# Altium PCB dev-board.PcbDoc (part 3 of 3) (continued)
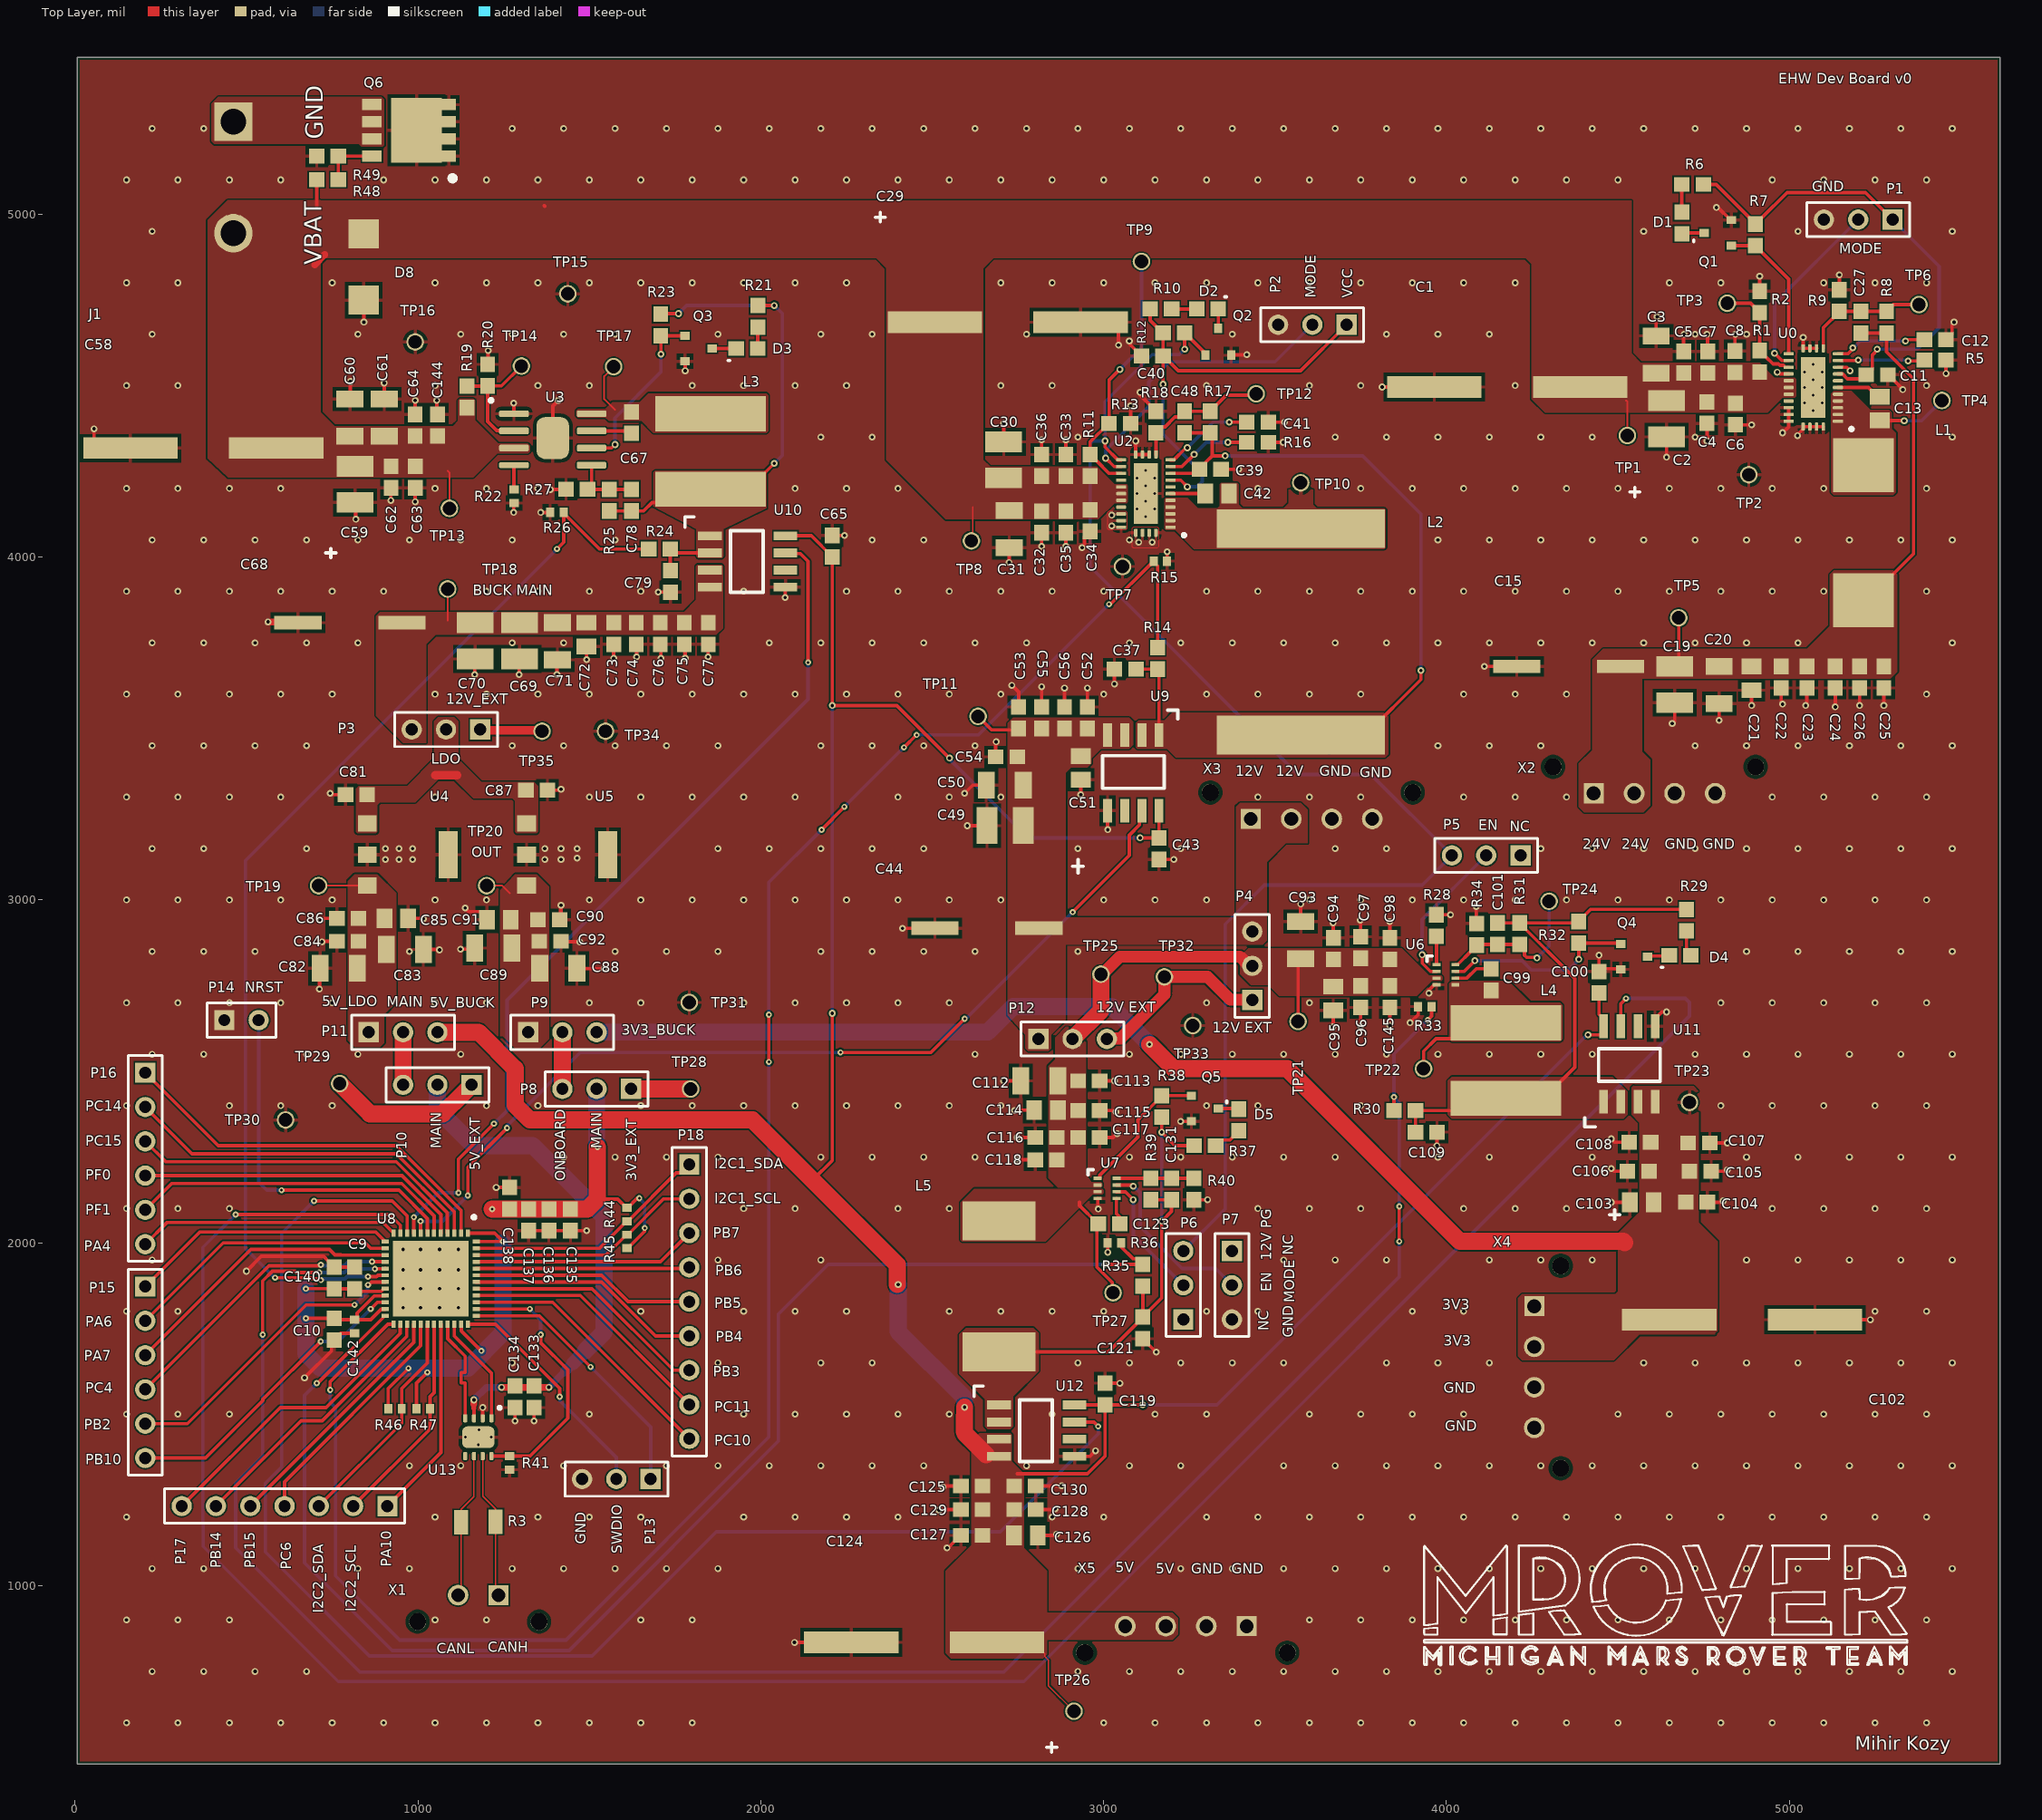
[diagram p0: Top Layer view]
## Nets (pads, with @x,y where several pads share a name; then routed paths per layer and width w, separated by ;. In a path a pad name is that pad's centre, name@x,y a point inside that pad or via, vN(x,y) a via of type N, cw(c..) or ccw(c..) an arc to the next point about the centre after c; other vN are vias at no path point) (continued)
  other v3: 1176.18,1411.42 1138.78,1433.07 1213.58,1433.07 1178.15,1454.72 3123.03,4117.72 3097.44,4140.16 3148.62,4140.16 3123.03,4162.6 3097.44,4185.04 3148.62,4185.04 3123.03,4207.48 3097.44,4229.92 3148.62,4229.92 3123.03,4252.36 5069.72,4427.28 5044.13,4449.72 5095.31,4449.72 5069.72,4472.17 5044.13,4494.61 5095.31,4494.61 5069.72,4517.05 5044.13,4539.49 5095.31,4539.49 5069.72,4561.93
I2C1_SCL: P18.2 R45.1 U8.46 | length 689
  Top Layer w10: U8.46@1170.28,1964.41 1549.06,1964.41 1608.27,2023.62 R45.1@1610.24,2023.62 1612.2,2023.62 1716.93,2128.35 P18.2@1791.34,2128.35
I2C1_SDA: P18.1 R44.1 U8.47 | length 722.2
  Top Layer w10: U8.47@1170.28,1984.09 1529.37,1984.09 1608.27,2062.99 R44.1@1610.24,2062.99 1612.2,2062.99 1753.03,2203.82 1766.81,2203.82 P18.1@1791.34,2228.35
I2C2_SCL: P17.2 R47.1 U8.31 | length 630.2
  Top Layer w10: P17.2@811.02,1232.28 1035.43,1456.69 R47.1@1035.43,1517.72 ; R47.1@1035.43,1515.75 1035.43,1551.18 1047.24,1562.99 U8.31@1047.24,1762.64
I2C2_SDA: P17.3 R46.1 U8.30 | length 661.5
  Top Layer w10: P17.3@711.02,1232.28 952.76,1474.02 R46.1@952.76,1515.75 952.76,1574.8 1027.56,1649.61 U8.30@1027.56,1762.64
MODE_5V_BUCK: P7.2 U7.7 | length 514.4
  Top Layer w10: U7.7@3037.32,2168.58 3080.68,2168.58 3083.91,2165.35 v1(3086.61,2165.35)
  Bottom Layer w10: v1(3086.61,2165.35) 3106.3,2145.67 3106.3,2047.88 3228.98,1925.2 3326.77,1925.2 P7.2@3374.02,1877.95
NetD1_1: D1.1 R6.2 | length 80.5
  Top Layer w10: D1.1@4686.22,5006.1 R6.2@4686.22,5086.61
NetD1_2: D1.2 Q1.3 | length 66.6
  Top Layer w10: D1.2@4686.22,4943.11 4688.62,4945.51 Q1.3@4751.85,4945.51
NetD2_1: D2.1 R10.2 | length 72.9
  Top Layer w10: R10.2@3198.39,4723.62 D2.1@3271.3,4723.62
NetD2_2: D2.2 Q2.3 | length 56.3
  Top Layer w10: Q2.3@3334.29,4667.36 D2.2@3334.29,4723.62
NetD3_1: D3.1 R21.2 | length 62.4
  Top Layer w10: D3.1@1991.3,4608.23 R21.2@1991.3,4670.67
NetD3_2: D3.2 Q3.3 | length 70.6
  Top Layer w10: Q3.3@1857.68,4608.23 D3.2@1928.31,4608.23
NetD4_1: D4.1 R29.2 | length 85.7
  Top Layer w10: R29.2@4699.8,2909.45 4699.8,2847.44 D4.1@4716.54,2830.71
NetD4_2: D4.2 Q4.3 | length 63
  Top Layer w10: Q4.3@4586.61,2836.61 D4.2@4649.61,2836.61
NetD5_1: D5.1 R37.2 | length 85.4
  Top Layer w10: R37.2@3326.77,2283.46 3343.43,2300.12 3368.03,2300.12 3393.7,2325.79 D5.1@3393.7,2326.77
NetD5_2: D5.2 Q5.3 | length 59.9
  Top Layer w10: Q5.3@3334.65,2391.73 3391.73,2391.73 D5.2@3393.7,2389.76
NetJ1_1: J1.1 Q6.2
NetQ6_1: Q6.1 R48.2 R49.2 | length 167.4
  Top Layer w10: R48.2@767.72,5100.61 R49.2@767.72,5169.63 Q6.1@866.06,5169.63
NRST: P14.2 U8.7 | length 1051.1
  Top Layer w10: v2(602.36,2153.54) 944.88,2153.54 1027.56,2070.87 U8.7@1027.56,2028.39
  Bottom Layer w10: P14.2@535.43,2649.61 535.43,2177.17 559.06,2153.54 v2(602.36,2153.54)
PA4: P16.6 U8.12 | length 763.2
  Top Layer w10: P16.6@204.72,1996.06 267.72,2059.06 898.46,2059.06 U8.12@929.13,2028.39
PA5: P15.1 U8.13 | length 777.2
  Top Layer w10: P15.1@204.72,1872.44 363.78,2031.5 876.81,2031.5 U8.13@904.53,2003.78
PA6: P15.2 U8.14 | length 800.6
  Top Layer w10: P15.2@204.72,1772.44 432.28,2000 846.46,2000 862.36,1984.09 U8.14@904.53,1984.09
PA7: P15.3 U8.15 | length 833.9
  Top Layer w10: P15.3@204.72,1672.44 512.6,1980.32 742.13,1980.32 757.87,1964.57 775.59,1964.57 775.75,1964.41 U8.15@904.53,1964.41
PA10: P17.1 U8.32 | length 594.9
  Top Layer w10: P17.1@911.02,1232.28 1066.93,1388.19 U8.32@1066.93,1762.64
PB2: P15.5 U8.19 | length 882.1
  Top Layer w10: P15.5@204.72,1472.44 327.66,1472.44 674.12,1818.9 v2(814.96,1818.9) ; v2(854.33,1877.13) 856.42,1877.13 865.04,1885.75 904.45,1885.75 U8.19@904.53,1885.67
  Bottom Layer w10: v2(814.96,1818.9) 852.85,1856.79 852.85,1875.65 v2(854.33,1877.13)
PB3: P18.7 U8.41 | length 719.5
  Top Layer w10: U8.41@1170.28,1865.98 1508.03,1865.98 1745.67,1628.35 P18.7@1791.34,1628.35
PB4: P18.6 U8.42 | length 686.2
  Top Layer w10: U8.42@1170.28,1885.67 1535.59,1885.67 1692.91,1728.35 P18.6@1791.34,1728.35
PB5: P18.5 U8.43 | length 653
  Top Layer w10: U8.43@1170.28,1905.35 1535.7,1905.35 1612.71,1828.35 P18.5@1791.34,1828.35
PB6: P18.4 U8.44 | length 622.4
  Top Layer w10: U8.44@1170.28,1925.04 1788.03,1925.04 P18.4@1791.34,1928.35
PB7: P18.3 U8.45 | length 655.7
  Top Layer w10: U8.45@1170.28,1944.72 1707.72,1944.72 P18.3@1791.34,2028.35
PB10: P15.6 U8.22 | length 890.2
  Top Layer w10: P15.6@204.72,1372.44 380.31,1372.44 547.69,1539.81 547.69,1543.75 v2(716.54,1712.6) ; v2(862.2,1807.09) 881.73,1826.61 U8.22@904.53,1826.61
  Bottom Layer w10: v2(716.54,1712.6) 767.72,1712.6 v2(862.2,1807.09)
PB13: P17.7 U8.26 | length 873
  Top Layer w10: P17.7@311.02,1232.28 598.43,1519.68 732.28,1519.68 947.91,1735.31 947.91,1761.73 U8.26@948.82,1762.64
PB14: P17.6 U8.27 | length 797.2
  Top Layer w10: P17.6@411.02,1232.28 659.62,1480.88 721.03,1480.88 967.6,1727.44 967.6,1761.73 U8.27@968.5,1762.64
PB15: P17.5 U8.28 | length 728
  Top Layer w10: P17.5@511.02,1232.28 988.19,1709.45 U8.28@988.19,1762.64
PC4: P15.4 U8.16 | length 859
  Top Layer w10: P15.4@204.72,1572.44 565.35,1933.07 716.54,1933.07 716.54,1935.14 v2(717.05,1935.66) ; v2(866.14,1944.88) 866.22,1944.8 904.45,1944.8 U8.16@904.53,1944.72
  Bottom Layer w10: v2(717.05,1935.66) 717.05,1933.07 785.43,1933.07 797.24,1944.88 v2(866.14,1944.88)
PC6: P17.4 U8.29 | length 694.7
  Top Layer w10: P17.4@611.02,1232.28 611.02,1302.76 1007.87,1699.61 U8.29@1007.87,1762.64
PC10: P18.9 U8.39 | length 786
  Top Layer w10: U8.39@1170.28,1826.61 1393.07,1826.61 P18.9@1791.34,1428.35
PC11: P18.8 U8.40 | length 752.8
  Top Layer w10: U8.40@1170.28,1846.3 1473.39,1846.3 P18.8@1791.34,1528.35
PC13: P16.1 U8.2 | length 1153.7
  Top Layer w10: P16.1@204.72,2496.06 417.32,2283.46 937.01,2283.46 1125.98,2094.49 U8.2@1125.98,2028.39
PC14: P16.2 U8.3 | length 1090.3
  Top Layer w10: P16.2@204.72,2396.06 340.94,2259.84 937.01,2259.84 1106.3,2090.55 U8.3@1106.3,2028.39
PC15: P16.3 U8.4 | length 1026.9
  Top Layer w10: P16.3@204.72,2296.06 264.57,2236.22 937.01,2236.22 1085.71,2087.52 1085.71,2029.29 U8.4@1086.61,2028.39
PF0: P16.4 U8.5 | length 963.5
  Top Layer w10: P16.4@204.72,2196.06 953.54,2196.06 1066.93,2082.68 U8.5@1066.93,2028.39
PF1: P16.5 U8.6 | length 964
  Top Layer w10: P16.5@204.72,2096.06 281.89,2173.23 952.76,2173.23 1047.24,2078.74 U8.6@1047.24,2028.39
PG_3V3_BUCK: Q4.1 R32.2 U6.7 | length 566.6
  Top Layer w10: U6.7@4025.87,2791.69 4025.94,2791.77 4051.61,2791.77 v1(4082.68,2822.83) ; v1(4385.83,2826.77) R32.2@4385.83,2874.02 Q4.1@4507.87,2874.02
  Bottom Layer w10: v1(4082.68,2822.83) 4220.47,2822.83 4248.03,2795.28 4354.33,2795.28 v1(4385.83,2826.77)
PG_5V_BUCK: Q5.1 R38.1 U7.1 | length 408.9
  Top Layer w10: U7.1@2982.2,2188.27 2988.94,2188.27 2989.02,2188.35 2989.02,2197.68 3099.94,2308.6 3099.94,2358.8 3169.29,2428.15 R38.1@3169.29,2429.13 Q5.1@3255.91,2429.13
PG_12V_2A_BUCK: Q3.1 R23.2 U3.6 | length 516.2
  Top Layer w10: U3.6@1506.5,4317.99 1564.65,4317.99 v1(1574.8,4328.15) ; v1(1708.6,4591.98) 1708.6,4645.34 R23.2@1708.31,4645.63 Q3.1@1778.94,4645.63
  Bottom Layer w10: v1(1574.8,4328.15) 1574.8,4405.51 1708.6,4539.3 v1(1708.6,4591.98)
RT_3V3_BUCK: R28.1 U6.1 | length 82.3
  Top Layer w10: U6.1@3970.75,2811.38 R28.1@3970.75,2893.7
RT_12V_2A_BUCK: R22.1 U3.4 | length 71.2
  Top Layer w10: R22.1@1280.12,4196.81 U3.4@1280.12,4267.99
SW_3V3_BUCK: C99.2 L4.1 TP22.1 U6.5 | length 325.6
  Top Layer w10: TP22.1@3933.07,2507.87 3933.07,2559.06 3969.57,2595.55 4127.05,2595.55 L4.1@4173.23,2641.73
SW_5V_BUCK: C123.2 L5.1 TP27.1 U7.3 | length 330.4
  Top Layer w10: 2929.13,2118.11 2929.13,2109.25 C123.2@2980.31,2058.07 ; C123.2@2980.31,2070.87 C123.2@2980.31,2058.07 ; C123.2@2984.25,2062.99 C123.2@2984.25,2055.12 2983.27,2055.12 C123.2@2980.31,2058.07 ; TP27.1@3027.56,1854.33 3025.42,1856.47 3025.42,1884.03 2980.31,1929.13 C123.2@2980.31,2058.07
SW_12V_2A_BUCK: C67.2 L3.1 TP17.1 U3.8 | length 150.4
  Top Layer w5: TP17.1@1570.87,4555.12 1543.31,4527.56 1543.31,4460.63 1574.8,4429.13
SWCLK: P13.1 U8.37 | length 794.7
  Top Layer w10: U8.37@1170.28,1787.24 1354.49,1787.24 v2(1503.94,1637.8)
  Bottom Layer w10: v2(1503.94,1637.8) 1678.74,1462.99 P13.1@1678.74,1311.02
SWDIO: P13.2 U8.36 | length 678.2
  Top Layer w10: U8.36@1145.67,1762.64 1226.28,1762.64 1413.39,1575.53 v2(1413.39,1551.18)
  Bottom Layer w10: v2(1413.39,1551.18) 1414.35,1550.22 1414.35,1538.41 1578.74,1374.02 P13.2@1578.74,1311.02
VBAT: C1.1 C2.1 C3.1 C4.1 C5.1 C6.1 C7.1 C8.1 C29.1 C30.1 C31.1 C32.1 C33.1 C34.1 C35.1 C36.1 C58.1 C59.1 C60.1 C61.1 C62.1 C63.1 C64.1 C144.1 D8.1 J1.2 R1.2 R11.2 R19.1 R48.1 TP1.1 TP8.1 TP13.1 U0.20 U0.21 U0.22 U2.20 U2.21 U2.22 U3.3 | length 437
  Top Layer w5: 1086.61,4251.97 1091.81,4246.77 TP13.1@1091.81,4142.13 ; TP8.1@2614.17,4047.24 2618.11,4051.18 2618.11,4145.67 ; 4523.62,4456.69 4527.56,4452.76 TP1.1@4527.56,4354.33
  Top Layer w10: 704.72,5023.62 R48.1@704.72,5100.61 ; 1368.5,5025.2 1370.08,5023.62
  Top Layer w20: 698.82,4852.36 728.35,4881.89
VBAT_MCU: C9.1 C10.1 C135.1 C136.1 C137.1 C138.1 C140.1 C142.1 P8.2 R44.2 R45.2 R46.2 R47.2 U8.1 U8.20 U8.21 U8.23 U8.35 U8.48 | length 3211.8
  Top Layer w10: v2(673.23,1779.53) C10.1@755.91,1779.53 759.84,1775.59 C142.1@814.96,1775.59 C142.1@815.65,1775.59 ; v2(673.23,1866.14) C140.1@755.91,1866.14 756.06,1865.98 C9.1@814.96,1865.98 ; C9.1@814.96,1866.14 822.83,1858.27 892.84,1858.27 898.7,1864.13 898.7,1865.08 899.61,1865.98 U8.20@904.53,1865.98 ; U8.23@904.53,1806.93 903.62,1806.02 892.64,1806.02 862.2,1775.59 C142.1@815.65,1775.59 ; U8.21@904.53,1846.3 903.62,1845.39 872.95,1845.39 822.46,1794.9 822.46,1782.4 C142.1@815.65,1775.59 ; R46.2@913.39,1515.75 913.39,1574.8 v2(972.44,1633.86) ; R47.2@996.06,1515.75 996.06,1590.55 v2(1027.56,1622.05) ; U8.35@1125.98,1762.64 1126.89,1761.73 1126.89,1743.19 v2(1185.04,1685.04) ; U8.1@1145.67,2028.39 1223.58,2028.39 v2(1248.03,2003.94) 1247.87,2003.78 U8.48@1170.28,2003.78 ; 1523.62,2127.71 1582.92,2127.71 1608.27,2102.36 R44.2@1610.24,2102.36 1612.2,2102.36 1638.29,2128.44 1644.19,2128.44 v2(1645.67,2129.92) ; R45.2@1610.24,1984.25 1612.2,1984.25 1661.42,2033.46 v2(1661.42,2043.31)
  Top Layer w50: v2(1216.54,2098.43) C138.1@1267.72,2098.43 C137.1@1322.83,2098.43 C136.1@1381.89,2098.43 C135.1@1444.88,2098.43 1494.33,2098.43 1523.62,2127.71 v2(1523.62,2279.53)
  Bottom Layer w10: v2(1645.67,2129.92) 1661.42,2114.17 v2(1661.42,2043.31)
  Bottom Layer w50: v2(673.23,1866.14) v2(673.23,1779.53) 673.23,1677.17 716.54,1633.86 v2(972.44,1633.86) 1145.67,1633.86 1248.03,1736.22 v2@1248.03,2000 ; P8.2@1521.26,2448.82 1521.26,2281.89 v2(1523.62,2279.53)
pads on no net: P5.1 P6.1 P7.1 U0.7 U0.23 U2.7 U2.23 U9.6 U10.6 U11.6 U12.6 U13.5 X1.1 X2.1 X3.1 X4.1 X5.1

## Polygon pours and split planes (outlines as drawn)
GND on Top Layer "GND_L01_P077" (solid, pour order 77): 6.81,480.31 6.81,5457.13 5614.17,5457.13 5614.17,480.31
12V_5A_SW on Top Layer "12V_5A_SW_L01_P025" (solid, pour order 25): 3515.75,4133.86 3539.37,4157.48 3539.37,4236.22 3551.18,4248.03 3598.43,4248.03 3610.24,4236.22 3610.24,4153.54 3629.92,4133.86 3523.62,4133.86
VBAT on Top Layer "VBAT_L01_P039" (solid, pour order 39): 4539.37,4594.49 4566.93,4566.93 4913.39,4566.93 4956.69,4523.62 5015.75,4523.62 5019.69,4519.69 5019.69,4468.5 5015.75,4464.57 4980.31,4464.57 4937.01,4421.26 4287.4,4421.26 4248.03,4460.63 4248.03,4854.33 4220.47,4881.89 4539.37,4881.89
3V3_BUCK_MAIN on Top Layer "3V3_BUCK_MAIN_L01_P049" (solid, pour order 49): 4543.31,2460.63 4547.24,2456.69 4720.47,2456.69 4736.22,2440.94 4736.22,2059.06 4791.34,2003.94 4791.34,1744.09 4783.46,1736.22 4783.46,1732.28 4519.69,1732.28 4503.94,1748.03 4500,1748.03 4500,2027.56 4562.99,2090.55 4562.99,2350.39 4539.37,2374.02 4539.37,2452.76 4543.31,2456.69
VBAT on Top Layer "VBAT_L01_P002" (solid, pour order 2): 1326.81,4325.13 1320.81,4331.13 1234.81,4331.13 1183.81,4382.13 756.81,4382.13 716.81,4422.13 716.81,5040.75 444.87,5040.75 386.81,4982.69 386.81,4287.13 446.81,4232.13 451.81,4232.13 1161.81,4232.13 1231.81,4302.13 1321.81,4302.13 1326.81,4307.13 1326.81,4327.13
VBAT on Top Layer "VBAT_L01_P003" (solid, pour order 3): 1121.81,4462.13 1116.81,4457.13 1116.81,4397.13 1101.81,4382.13 1183.81,4382.13 1166.81,4399.13 1166.81,4457.13 1161.81,4462.13
SW_12V_2A_BUCK on Top Layer "SW_12V_2A_BUCK_L01_P005" (solid, pour order 5): 1466.81,4432.13 1461.81,4427.13 1461.81,4412.13 1466.81,4407.13 1546.81,4407.13 1556.81,4397.13 1651.81,4397.13 1686.81,4362.13 2016.81,4362.13 2021.81,4367.13 2021.81,4472.13 2016.81,4477.13 1671.81,4477.13 1646.81,4452.13 1566.81,4452.13 1546.81,4432.13
12V_2A_BUCK_OUT on Top Layer "12V_2A_BUCK_OUT_L01_P006" (solid, pour order 6): 1691.81,4252.13 1686.81,4247.13 1686.81,4147.13 1811.81,4082.13 1811.81,4002.13 1816.81,3997.13 1886.81,3997.13 1891.81,4002.13 1891.81,4082.13 2016.81,4142.13 2016.81,4247.13 2011.81,4252.13
12V_2A_BUCK_MAIN on Top Layer "12V_2A_BUCK_MAIN_L01_P008" (solid, pour order 8): 877.95,3828.15 877.95,3773.03 1870.08,3773.03 1889.76,3792.72 1889.76,3973.82 1885.83,3977.76 1814.96,3977.76 1811.02,3973.82 1811.02,3875.39 1775.59,3839.96 889.76,3839.96
12V_2A_BUCK_MAIN on Top Layer "12V_2A_BUCK_MAIN_L01_P009" (solid, pour order 9): 877.95,3788.78 877.95,3536.81 956.69,3458.07 1023.62,3458.07 1023.62,3745.47 1066.93,3788.78
12V_LDO_IN on Top Layer "12V_LDO_IN_L01_P014" (solid, pour order 14): 1059.06,3532.87 1047.24,3521.06 1047.24,3410.83 1118.11,3410.83 1118.11,3521.06 1106.3,3532.87
12V_LDO_IN on Top Layer "12V_LDO_IN_L01_P015" (solid, pour order 15): 1047.24,3410.83 968.5,3332.09 826.77,3332.09 818.9,3324.21 818.9,3198.23 822.83,3194.29 877.95,3194.29 881.89,3198.23 881.89,3276.97 889.76,3284.84 992.13,3284.84 1118.11,3410.83
12V_LDO_IN on Top Layer "12V_LDO_IN_L01_P017" (solid, pour order 17): 1047.24,3410.83 1118.11,3410.83 1185.04,3343.9 1338.58,3343.9 1350.39,3332.09 1350.39,3198.23 1346.46,3194.29 1287.4,3194.29 1283.46,3198.23 1283.46,3288.78 1275.59,3296.65 1161.42,3296.65
VBAT on Top Layer "VBAT_L01_P018" (solid, pour order 18): 669.29,5039.37 4539.37,5039.37 4539.37,4872.05 669.29,4872.05
VBAT on Top Layer "VBAT_L01_P019" (solid, pour order 19): 3070.87,4161.42 3066.93,4157.48 3031.5,4157.48 2984.25,4110.24 2539.37,4110.24 2366.14,4283.46 2366.14,4842.06 2445.34,4842.06 2649.15,4842.06 2649.15,4283.92 2669.29,4263.78 2980.32,4263.78 3031.5,4212.6 3066.93,4212.6 3070.87,4208.66 3070.87,4165.35
VBAT on Top Layer "VBAT_L01_P020" (solid, pour order 20): 2366.14,4842.06 2366.14,4842.52 2318.9,4889.76 2696.85,4889.76 2649.15,4842.06
12V_5A_SW on Top Layer "12V_5A_SW_L01_P021" (solid, pour order 21): 3181.1,4173.23 3177.17,4169.29 3177.17,4082.68 3181.1,4078.74 3208.66,4078.74 3263.78,4023.62 3818.9,4023.62 3822.83,4027.56 3822.83,4137.8 3818.9,4141.73 3275.59,4141.73 3244.09,4173.23
12V_5A_SW on Top Layer "12V_5A_SW_L01_P022" (solid, pour order 22): 3326.77,4137.8 3338.58,4149.61 3338.58,4212.6 3342.52,4216.54 3389.76,4216.54 3393.7,4212.6 3393.7,4153.54 3409.45,4137.8
12V_5A_OUT on Top Layer "12V_5A_OUT_L01_P023" (solid, pour order 23): 3102.36,3523.62 3094.49,3515.75 3094.49,3444.88 3098.43,3440.94 3185.04,3440.94 3210.56,3415.43 3820.94,3415.43 3830.71,3425.2 3830.71,3535.92 3817.5,3545.84 3199.39,3545.84 3177.17,3523.62
12V_5A_MAIN on Top Layer "12V_5A_MAIN_L01_P030" (solid, pour order 30): 2771.65,2566.93 2779.53,2559.06 2838.58,2559.06 2846.46,2566.93 2846.46,2606.3 2889.76,2649.61 2889.76,2677.17 2720.47,2677.17 2720.47,2663.39 2771.65,2607.09
12V_BUCK_IN on Top Layer "12V_BUCK_IN_L01_P031" (solid, pour order 31): 2889.76,2629.92 2858.27,2598.43 2858.27,2535.43 2838.58,2515.75 2838.58,2188.98 2866.14,2161.42 2992.13,2161.42 2996.06,2165.35 2996.06,2173.23 2992.13,2177.17 2964.57,2177.17 2948.82,2200.79 2948.82,2208.66 2948.82,2618.11 2937.01,2629.92
SW_5V_BUCK on Top Layer "SW_5V_BUCK_L01_P034" (solid, pour order 34): 3000,2145.67 2996.06,2141.73 2968.5,2141.73 2830.71,2003.94 2586.61,2003.94 2582.68,2007.87 2582.68,2118.11 2622.05,2157.48 2996.06,2157.48 3000,2153.54
12V_5A_MAIN on Top Layer "12V_5A_MAIN_L01_P036" (solid, pour order 36): 3086.61,3452.76 3074.8,3440.94 2992.13,3440.94 2964.57,3413.39 2964.57,3397.64 2952.76,3385.83 2905.51,3385.83 2889.76,3370.08 2889.76,2677.17 2720.47,2677.17 2720.47,3515.75 2736.22,3531.5 3074.8,3531.5 3086.61,3519.68
5V_BUCK_OUT on Top Layer "5V_BUCK_OUT_L01_P037" (solid, pour order 37): 2598.43,1751.97 2578.74,1732.28 2578.74,1618.11 2653.54,1543.31 2653.54,1464.57 2661.42,1456.69 2728.35,1456.69 2736.22,1464.57 2736.22,1551.18 2811.02,1625.98 2811.02,1736.22 2795.28,1751.97
5V_BUCK_MAIN on Top Layer "5V_BUCK_MAIN_L01_P038" (solid, pour order 38): 2728.35,1444.88 2732.28,1440.94 2732.28,1362.2 2767.72,1326.77 2767.72,1110.24 2834.65,1043.31 2834.65,799.21 2822.83,787.4 2555.12,787.4 2539.37,803.15 2539.37,1043.31 2614.17,1118.11 2614.17,1421.26 2637.8,1444.88
24V_5A_SW on Top Layer "24V_5A_SW_L01_P040" (solid, pour order 40): 5129.92,4484.25 5122.05,4476.38 5122.05,4188.98 5129.92,4181.1 5303.15,4181.1 5311.02,4188.98 5311.02,4362.2 5299.21,4374.02 5299.21,4421.26 5291.34,4429.13 5236.22,4429.13 5181.1,4484.25
24V_5A_MAIN on Top Layer "24V_5A_MAIN_L01_P041" (solid, pour order 41): 5314.96,3948.82 5314.96,3665.35 5295.28,3645.67 4440.94,3645.67 4425.2,3661.42 4425.2,3700.79 4456.69,3732.28 5051.18,3732.28 5118.11,3799.21 5118.11,3948.82 5129.92,3960.63 5303.15,3960.63
12V_5A_MAIN on Top Layer "12V_5A_MAIN_L01_P042" (solid, pour order 42): 3460.63,2948.82 3476.38,2933.07 3476.38,2881.89 3464.57,2870.08 2877.95,2870.08 2877.95,2948.82
12V_BUCK_IN on Top Layer "12V_BUCK_IN_L01_P044" (solid, pour order 44): 3421.52,2858.53 3397.64,2834.65 3397.64,2783.46 3429.13,2751.97 3484.25,2751.97 3484.25,2748.03 3511.81,2720.47 3913.39,2720.47 3956.69,2763.78 3984.25,2763.78 3988.19,2767.72 3988.19,2775.59 3984.25,2779.53 3948.82,2779.53 3869.82,2858.53
SW_3V3_BUCK on Top Layer "SW_3V3_BUCK_L01_P046" (solid, pour order 46): 4015.75,2763.78 4181.1,2763.78 4244.09,2700.79 4330.71,2700.79 4338.58,2692.91 4338.58,2594.49 4330.71,2586.61 4015.75,2586.61 4007.87,2594.49 4007.87,2755.91
3V3_BUCK_OUT on Top Layer "3V3_BUCK_OUT_L01_P047" (solid, pour order 47): 4015.75,2484.25 4003.94,2472.44 4003.94,2374.02 4015.75,2362.2 4515.75,2362.2 4527.56,2374.02 4527.56,2440.94 4484.25,2484.25
5V_LDO_OUT on Top Layer "5V_LDO_OUT_L01_P050" (solid, pour order 50): 889.76,2570.87 901.57,2582.68 901.57,2665.35 937.01,2700.79 937.01,3019.69 881.89,3074.8 814.96,3074.8 795.28,3055.12 795.28,2590.55 814.96,2570.87
3V3_LDO_OUT on Top Layer "3V3_LDO_OUT_L01_P051" (solid, pour order 51): 1240.16,2602.36 1248.03,2602.36 1283.46,2566.93 1354.33,2566.93 1381.89,2594.49 1381.89,3039.37 1346.46,3074.8 1283.46,3074.8 1240.16,3027.56 1240.16,3023.62 1240.16,2681.1
3V3_BUCK_MAIN on Top Layer "3V3_BUCK_MAIN_L01_P061" (solid, pour order 61): 4511.81,1874.02 4511.81,1870.08 4492.13,1850.39 4220.47,1850.39 4208.66,1838.58 4208.66,1669.29 4220.47,1657.48 4488.19,1657.48 4566.93,1736.22 4566.93,1874.02
12V_5A_MAIN on Top Layer "12V_5A_MAIN_L01_P062" (solid, pour order 62): 3385.83,2940.6 3385.83,3271.65 3397.64,3283.46 3574.8,3283.46 3594.49,3263.78 3594.49,3165.35 3531.5,3165.35 3476.38,3110.24 3476.38,2924.85
24V_5A_MAIN on Top Layer "24V_5A_MAIN_L01_P063" (solid, pour order 63): 4425.2,3700.79 4425.2,3437.01 4385.83,3397.64 4385.83,3271.65 4401.57,3255.91 4574.8,3255.91 4594.49,3275.59 4594.49,3409.45 4570.87,3433.07 4570.87,3649.61
5V_BUCK_MAIN on Top Layer "5V_BUCK_MAIN_L01_P064" (solid, pour order 64): 2834.65,921.26 3200.79,921.26 3216.54,905.51 3216.54,858.27 3200.79,842.52 2834.65,842.52 2830.71,846.46
NetJ1_1 on Top Layer "NETJ1_1_L01_P067" (solid, pour order 67): 417.32,5342.52 397.64,5322.83 397.64,5212.6 405.51,5204.72 826.77,5204.72 834.65,5196.85 897.64,5196.85 901.57,5200.79 901.57,5334.65 893.7,5342.52
GND on Top Layer "GND_L01_P069" (solid, pour order 69): 822.83,3165.35 814.96,3157.48 814.96,3106.3 818.9,3102.36 1007.87,3102.36 1059.06,3051.18 1114.17,3051.18 1122.05,3059.06 1122.05,3200.79 1114.17,3208.66 1047.24,3208.66 1003.94,3165.35
GND on Top Layer "GND_L01_P070" (solid, pour order 70): 1291.34,3165.35 1283.46,3157.48 1283.46,3106.3 1287.4,3102.36 1476.38,3102.36 1527.56,3051.18 1582.68,3051.18 1582.68,3055.12 1590.55,3062.99 1590.55,3200.79 1582.68,3208.66 1515.75,3208.66 1472.44,3165.35
GND on Top Layer "GND_L01_P071" (solid, pour order 71): 3062.99,4133.86 3066.93,4129.92 3066.93,4082.68 3062.99,4078.74 3015.75,4078.74 3011.81,4082.68 3011.81,4129.92 3015.75,4133.86
GND on Top Layer "GND_L01_P072" (solid, pour order 72): 3086.61,4086.61 3082.68,4082.68 3082.68,4031.5 3086.61,4027.56 3157.48,4027.56 3161.42,4031.5 3161.42,4082.68 3157.48,4086.61 3090.55,4086.61
GND on Bottom Layer "GND_L04_P080" (solid, pour order 80): 6.81,480.31 6.81,5457.13 5614.17,5457.13 5614.17,480.31
VBAT_MCU on Bottom Layer "VBAT_MCU_L04_P060" (solid, pour order 60): 1224.41,2051.18 1192.91,2082.68 1192.91,2118.11 1196.85,2122.05 1244.09,2122.05 1271.65,2094.49 1271.65,1992.13 1259.84,1980.32 1232.28,1980.32 1232.28,1992.13 1224.41,2000
GND on Mid Layer 1 "GND_L02_P078" (solid, pour order 78): 6.81,480.31 6.81,5457.13 5614.17,5457.13 5614.17,480.31
GND on Mid Layer 2 "GND_L03_P079" (solid, pour order 79): 6.81,480.31 6.81,5457.13 5614.17,5457.13 5614.17,480.31

## Silkscreen, mask and mechanical layers (free items; w line width, h text height)
Top Overlay:
  drawing of 2345 lines, arcs and shapes, not listed
  text "EHW Dev Board v0" at 4967.63,5381.02 h30
  text "GND" at 722.28,5218.66 h50 r90
  text "GND" at 5066.06,5066.06 h30
  text "MODE" at 5144.8,4884.95 h30
  text "VBAT" at 718.35,4852.52 h50 r90
  text "MODE" at 3618.98,4755.03 h30 r90
  text "VCC" at 3725.28,4755.03 h30 r90
  text "BUCK MAIN" at 1160.54,3888.89 h30
  text "12V_EXT" at 1081.8,3571.05 h30
  text "LDO" at 1038.5,3396.76 h30
  text "12V" at 3384.95,3361.33 h30
  text "12V" at 3503.06,3361.33 h30
  text "GND" at 3629.05,3361.33 h30
  text "GND" at 3747.16,3357.39 h30
  text "EN" at 4093.61,3203.85 h30
  text "NC" at 4184.17,3199.91 h30
  text "24V" at 4396.76,3148.73 h30
  text "24V" at 4510.94,3148.73 h30
  text "GND" at 4636.92,3148.73 h30
  text "GND" at 4747.16,3148.73 h30
  text "OUT" at 1156.61,3125.11 h30
  text "NRST" at 495.19,2731.41 h30
  text "5V_LDO" at 719.6,2689.16 h30
  text "MAIN" at 908.57,2688.1 h30
  text "5V_BUCK" at 1034.56,2685.23 h30
  text "12V EXT" at 2979.44,2672.35 h30
  text "12V EXT" at 3318.02,2613.3 h30
  text "3V3_BUCK" at 1593.61,2606.49 h30
  text "PC14" at 30.62,2384.95 h30
  text "PC15" at 30.62,2282.59 h30
  text "MAIN" at 1067.8,2274.72 h30 r90
  text "MAIN" at 1536.31,2274.72 h30 r90
  text "I2C1_SDA" at 1865.27,2216.72 h30
  text "5V_EXT" at 1180.91,2211.72 h30 r90
  text "PF0" at 30.62,2184.17 h30
  text "ONBOARD" at 1430.01,2180.23 h30 r90
  text "3V3_EXT" at 1637.61,2180.23 h30 r90
  text "I2C1_SCL" at 1865.27,2114.36 h30
  text "PF1" at 30.62,2081.8 h30
  text "PB7" at 1861.33,2014.87 h30
  text "PA4" at 26.68,1975.5 h30
  text "NC" at 3552.05,1963.69 h30 r90
  text "12V PG" at 3489.06,1947.94 h30 r90
  text "PB6" at 1867.69,1905.26 h30
  text "EN" at 3489.06,1857.39 h30 r90
  text "MODE" at 3555.99,1825.9 h30 r90
  text "PB5" at 1865.27,1810.15 h30
  text "3V3" at 3987.31,1806.21 h30
  text "PA6" at 30.62,1755.03 h30
  text "NC" at 3481.19,1743.22 h30 r90
  text "GND" at 3552.06,1723.54 h30 r90
  text "PB4" at 1869.2,1711.72 h30
  text "3V3" at 3991.25,1699.91 h30
  text "PA7" at 26.68,1656.61 h30
  text "PB3" at 1861.33,1609.36 h30
  text "PC4" at 30.62,1562.12 h30
  text "GND" at 3991.25,1562.12 h30
  text "PC11" at 1865.27,1507 h30
  text "PB2" at 26.68,1455.82 h30
  text "GND" at 3995.19,1451.88 h30
  text "PC10" at 1865.27,1408.57 h30
  text "PB10" at 30.62,1353.46 h30
  text "GND" at 1489.06,1121.17 h30 r90
  text "SWDIO" at 1595.36,1093.61 h30 r90
  text "PA10" at 922.13,1054.24 h30 r90
  text "PB14" at 426.07,1050.31 h30 r90
  text "PB15" at 524.5,1050.31 h30 r90
  text "PC6" at 630.8,1046.37 h30 r90
  text "5V" at 3034.56,1038.5 h30
  text "5V" at 3152.67,1034.56 h30
  text "GND" at 3255.03,1034.56 h30
  text "GND" at 3373.14,1034.56 h30
  text "I2C2_SCL" at 818.71,924.32 h30 r90
  text "I2C2_SDA" at 724.22,920.39 h30 r90
  text "CANH" at 1203.85,806.21 h30
  text "CANL" at 1054.24,802.28 h30
  text "Mihir Kozy" at 5192.04,520.33 h40
Mechanical 1:
  the board outline again, w10